# Altium PCB Power_Board.PcbDoc (part 2 of 2)
Units mm, origin at the board's own origin, x right, y up, seen from the top; angles counter-clockwise.
Board outline 100 x 100 mm, 4 copper layers (Top Layer, Signal Layer 1, Signal Layer 2, Bottom Layer), stack 1.551 mm thick; 412 components, 192 nets, 1206 pads, 0 vias.
Unrouted connection lines stored in the file: 963.
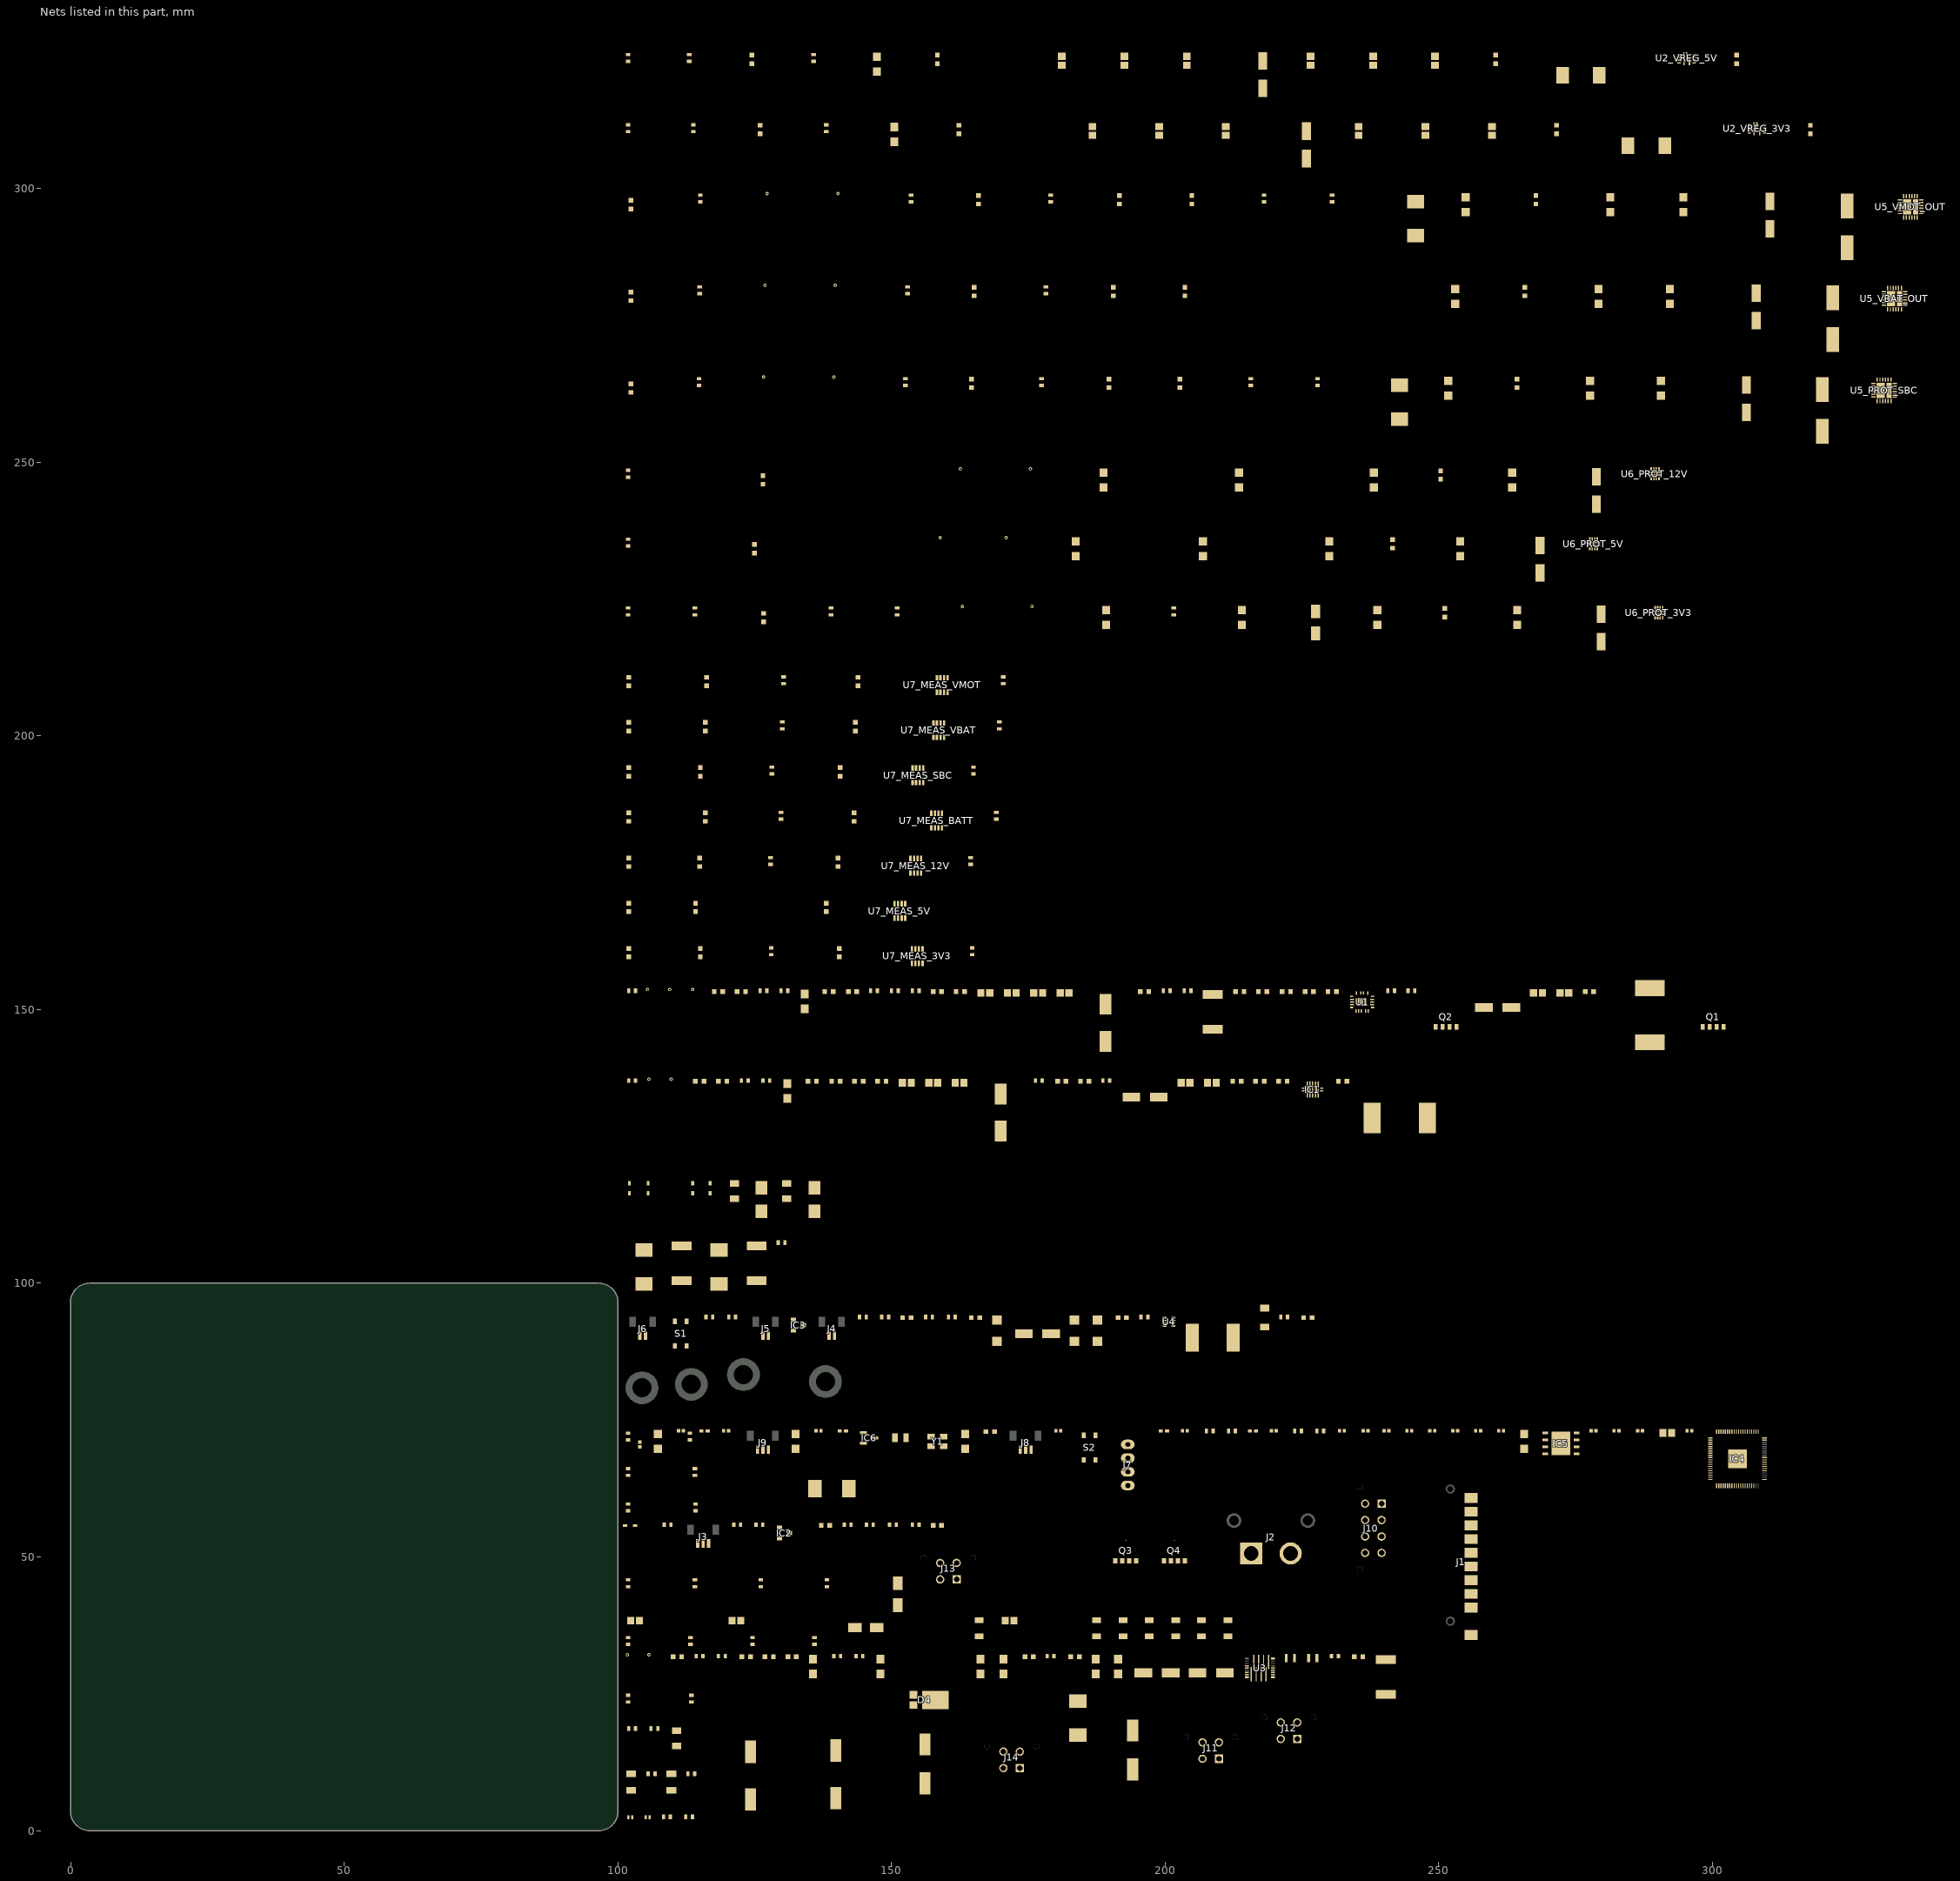
[diagram p2: the nets of this part, all layers, seen from the top]

## Footprints (in the part's own frame and the unit in brackets; to place one, negate y for a bottom-side part, rotate by r counter-clockwise, add the part's x,y. Pads: shape width x height; smd on the part's side, far side on the other; paste and mask are expansions set on the pad) (continued)
VQFN10_RPW_TEX [mil]
  rect 24x12 smd paste-12 mask-12: 1(-35.43,27.56) 4(-35.43,-27.56) 7(35.43,-27.56) 10(35.43,27.56)
  rect 24x10 smd paste+0 mask+0: 2(-35.43,8.86) 3(-35.43,-8.86) 8(35.43,-8.86) 9(35.43,8.86)
  rect 12x94 smd paste-47 mask-47: 5(-9.84,0) 6(9.84,0)
  Top Layer region: -33.43,47.56 -23.43,47.56 -23.43,21.56 -47.43,21.56 -47.43,33.56 -33.43,33.56
  Top Layer region: -23.43,-47.56 -23.43,-21.56 -47.43,-21.56 -47.43,-33.56 -33.43,-33.56 -33.43,-47.56
  Top Layer region: 47.43,-21.56 23.43,-21.56 23.43,-47.56 33.43,-47.56 33.43,-33.56 47.43,-33.56
  Top Layer region: 33.43,47.56 23.43,47.56 23.43,21.56 47.43,21.56 47.43,33.56 33.43,33.56
  silkscreen extent -63,-50 50,50, body extent -39,-39 39,39, height 39
VQFN26_RQP_TEX [mil]
  rect 28x16 smd paste-14 mask-14: 1(-92.52,67) 9(-92.52,-67) 14(92.52,-67) 22(92.52,67)
  rect 28x8 smd paste-4 mask+0: 2(-92.52,47.25) 3(-92.52,31.5) 4(-92.52,15.75) 5(-92.52,0) 6(-92.52,-15.75) 7(-92.52,-31.5) 8(-92.52,-47.25) 15(92.52,-47.25) 16(92.52,-31.5) 17(92.52,-15.75) 18(92.52,0) 19(92.52,15.75) 20(92.52,31.5) 21(92.52,47.25)
  rect 8x104 smd paste-4 mask+0: 10(-62.3,-44) 11(-26.67,-44) 12(8.96,-44) 13(44.59,-44) 23(62.3,44) 24(26.67,44) 25(-8.96,44) 26(-44.59,44)
  Top Layer region: -92.52,-75 -106.52,-75 -106.52,-59 -78.52,-59 -78.52,-96 -92.52,-96
  Top Layer region: 92.52,-75 106.52,-75 106.52,-59 78.52,-59 78.52,-96 92.52,-96
  Top Layer region: 92.52,75 106.52,75 106.52,59 78.52,59 78.52,96 92.52,96
  Top Layer region: -92.52,75 -106.52,75 -106.52,59 -78.52,59 -78.52,96 -92.52,96
  Top Layer region: 0,-52 0,-52 0,-52 0,-52 0,-52 0,-52 0,-52 0,-52
  Top Layer region: 0,52 0,52 0,52 0,52 0,52 0,52 0,52 0,52
  silkscreen extent -128,-105 115,105, body extent -98,-89 98,89, height 39
VQFN-HR12_RJN_TEX [mil]
  rect 55x10 smd paste+0 mask+0: 1(-19.93,19.69) 2(-19.93,-19.69) 7(19.93,0)
  rect 10x24 smd paste+0 mask+0: 3(-29.53,-55.12) 4(-9.84,-55.12) 5(9.84,-55.12) 6(29.53,-55.12) 9(29.53,55.12) 10(9.84,55.12) 11(-9.84,55.12) 12(-29.53,55.12)
  rect 24x10 smd paste+0 mask+0: 8(35.43,19.69)
  silkscreen extent -60,-80 45,80, body extent -39,-59 39,59, height 39
VQFN-HR26_RPM_TEX [mm]
  round 0.025 smd: 1(-1.625,1.488) 7(-1.675,-1.488) 13(1.675,-1.488) 19(1.625,1.488)
  rrect40% 0.6x0.25 smd: 2(-1.9,1) 6(-1.9,-1) 14(1.9,-1) 18(1.9,1)
  rrect40% 0.725x0.25 smd: 3(-1.837,0.5) 4(-1.837,0) 5(-1.837,-0.5) 15(1.837,-0.5) 16(1.837,0) 17(1.837,0.5)
  rrect40% 0.25x0.625 smd: 8(-1.125,-1.637) 9(-0.625,-1.637) 10(-0.125,-1.637) 11(0.625,-1.637) 12(1.125,-1.637)
  rrect40% 0.25x0.675 smd: 20(1.05,1.613) 23(-1.05,1.613)
  rrect40% 0.25x0.6 smd: 21(0.25,1.65) 22(-0.25,1.65)
  rrect26% 0.375x1.425 smd: 24(-0.625,0) 25(0,0) 26(0.625,0)
  Top Layer region: -2.2,1.425 -2.2,1.55 -2.196,1.569 -2.185,1.585 -2.169,1.596 -2.15,1.6 -2.15,1.6 -1.875,1.6 -1.856,1.604 -1.84,1.615 -1.829,1.631 -1.825,1.65 -1.825,1.65 -1.825,1.9 -1.821,1.919 -1.81,1.935 -1.794,1.946 -1.775,1.95 -1.775,1.95 -1.475,1.95 -1.456,1.946 -1.44,1.935 -1.429,1.919 -1.425,1.9 -1.425,1.9 -1.425,1.425 -1.429,1.406 -1.44,1.39 -1.456,1.379 -1.475,1.375 -1.475,1.375 -2.15,1.375 -2.169,1.379 -2.185,1.39 -2.196,1.406 -2.2,1.425
  Top Layer region: 1.5,-1.9 1.504,-1.919 1.515,-1.935 1.531,-1.946 1.55,-1.95 1.55,-1.95 1.8,-1.95 1.819,-1.946 1.835,-1.935 1.846,-1.919 1.85,-1.9 1.85,-1.9 1.85,-1.65 1.854,-1.631 1.865,-1.615 1.881,-1.604 1.9,-1.6 1.9,-1.6 2.15,-1.6 2.169,-1.596 2.185,-1.585 2.196,-1.569 2.2,-1.55 2.2,-1.55 2.2,-1.425 2.196,-1.406 2.185,-1.39 2.169,-1.379 2.15,-1.375 2.15,-1.375 1.55,-1.375 1.531,-1.379 1.515,-1.39 1.504,-1.406 1.5,-1.425 1.5,-1.425
  Top Layer region: 1.425,1.425 1.425,1.9 1.429,1.919 1.44,1.935 1.456,1.946 1.475,1.95 1.475,1.95 1.775,1.95 1.794,1.946 1.81,1.935 1.821,1.919 1.825,1.9 1.825,1.9 1.825,1.65 1.829,1.631 1.84,1.615 1.856,1.604 1.875,1.6 1.875,1.6 2.15,1.6 2.169,1.596 2.185,1.585 2.196,1.569 2.2,1.55 2.2,1.55 2.2,1.425 2.196,1.406 2.185,1.39 2.169,1.379 2.15,1.375 2.15,1.375 1.475,1.375 1.456,1.379 1.44,1.39 1.429,1.406 1.425,1.425
  Top Layer region: -2.15,-1.6 -2.169,-1.596 -2.185,-1.585 -2.196,-1.569 -2.2,-1.55 -2.2,-1.55 -2.2,-1.425 -2.196,-1.406 -2.185,-1.39 -2.169,-1.379 -2.15,-1.375 -2.15,-1.375 -1.55,-1.375 -1.531,-1.379 -1.515,-1.39 -1.504,-1.406 -1.5,-1.425 -1.5,-1.425 -1.5,-1.9 -1.504,-1.919 -1.515,-1.935 -1.531,-1.946 -1.55,-1.95 -1.55,-1.95 -1.8,-1.95 -1.819,-1.946 -1.835,-1.935 -1.846,-1.919 -1.85,-1.9 -1.85,-1.9 -1.85,-1.65 -1.854,-1.631 -1.865,-1.615 -1.881,-1.604 -1.9,-1.6 -1.9,-1.6
  silkscreen extent -2.43,-2.18 2.43,2.54, body extent -2,-1.75 2,1.75, height 1
WE-HCC_121021 [mm]
  rect 2.9x5.4 smd: 1(-4.95,0) 2(4.95,0)
  silkscreen extent -6,-5.75 6,5.75, body extent -6.05,-5.7 6.05,5.7, height 9.35
WE-HCC_807021 [mm]
  rect 2.3x3 smd: 1(-3.35,0) 2(3.35,0)
  silkscreen extent -4.2,-3.95 4.2,3.95, body extent -4.2,-3.95 4.2,3.95, height 7.15
XT60PWM [mm]
  rect 4.05x4.05 hole 2.7: 1(0,0)
  round 4.05 hole 2.7: 2(7.2,0)
  round 2.7 hole 1.8: 3(-3.15,6) 3(10.35,6)
  silkscreen extent -4.15,-2.5 11.35,16.35, body extent -4.35,-1.82 11.55,16.38, height 8.61
XTPS55285VALR [mm]
  round 0.025 smd: 1(-1.65,1.038) 4(-1.65,-1.038) 10(1.65,-1.038) 13(1.65,1.038)
  rect 0.6x0.25 smd: 2(-1.65,0.251) 3(-1.65,-0.249) 11(1.65,-0.249) 12(1.65,0.251)
  rect 0.25x1.6 smd: 5(-1,-0.649) 9(1,-0.649)
  rect 0.25x2.9 smd: 6(-0.5,0) 7(0,0) 8(0.5,0)
  rect 0.25x1.05 smd: 14(1,0.926) 15(-1,0.926)
  Top Layer region: -1.362,-0.625 -1.362,-1.45 -1.587,-1.45 -1.587,-1.075 -1.937,-1.075 -1.937,-0.625
  Top Layer region: -1.937,0.625 -1.937,1.075 -1.587,1.075 -1.587,1.45 -1.362,1.45 -1.362,0.625
  Top Layer region: 1.937,-0.625 1.937,-1.075 1.587,-1.075 1.587,-1.45 1.362,-1.45 1.362,-0.625
  Top Layer region: 1.362,0.625 1.362,1.45 1.587,1.45 1.587,1.075 1.937,1.075 1.937,0.625
  silkscreen extent -2.4,-1.78 1.75,1.78, body extent -1.75,-1.25 1.75,1.25, height 0.9

## Part data
C1 C24: library part 865080545011, "CAP ALUM 68UF 20% 35V SMD", Device Package="Radial, Can - SMD", Lifetime @ Temp.="2000 Hrs @ 105°C", Manufacturer="Würth Elektronik", Operating Temperature="-55°C ~ 105°C", Ripple Current @ High Frequency="265 mA @ 100 kHz", Ripple Current @ Low Frequency="172.25 mA @ 120 Hz", Supplier Part Number 1=732-8510-1-ND, Tolerance=±20%, Voltage - Rated="35 V", Applications="General Purpose", Capacitance="68 µF", ComponentLink1Description=Datasheet, ComponentLink1URL=https://katalog.we-online.de/pbs/datasheet/865080545011.pdf, ComponentLink2Description="DigiKey Link", ComponentLink2URL=https://www.digikey.com/en/products/detail/würth-elektronik/865080545011/5728105, Height - Seated (Max)="0.303\" (7.70mm)", Impedance="400 mOhms", LastUpdated="6/3/2024 8:16:17 PM", Lifecycle Status=Active, Minimum Order=1, Mounting Type="Surface Mount", Package / Case="Radial, Can - SMD", Packaging=TapeAndReel, Part Number=865080545011, Part Status=Active, PartId=27323, Polarization=Polar, Price=0.19, Series=WCAP-ASLI, Size / Dimension="0.248\" Dia (6.30mm)", Supplier 1=DigiKey, Surface Mount Land Size="0.260\" L x 0.260\" W (6.60mm x 6.60mm)"
C2 C3 C12 C13 C14 C25 C26 C34 C35 C36 C44_VREG_3V3 C44_VREG_5V C45_VREG_3V3 C45_VREG_5V C46_VREG_3V3 C46_VREG_5V C82: library part CL21A106KOQNNNE, "CAP CER 10UF 16V X5R 0805", Capacitance="10 µF", Device Package="0805 (2012 Metric)", Manufacturer="Samsung Electro-Mechanics", Operating Temperature="-55°C ~ 85°C", Supplier Part Number 1=1276-1096-1-ND, Temperature Coefficient=X5R, Tolerance=±10%, Voltage - Rated=16V, Applications="General Purpose", ComponentLink1Description=Datasheet, ComponentLink1URL=http://www.samsungsem.com/kr/support/product-search/mlcc/CL21A106KOQNNNE.jsp, ComponentLink2Description="DigiKey Link", ComponentLink2URL=https://www.digikey.com/en/products/detail/samsung-electro-mechanics/CL21A106KOQNNNE/3886754, LastUpdated="2/9/2024 8:15:37 PM", Lifecycle Status=Active, Minimum Order=1, Mounting Type="Surface Mount, MLCC", Package / Case="0805 (2012 Metric)", Packaging=TapeAndReel, Part Number=CL21A106KOQNNNE, Part Status=Active, PartId=14297, Price=0.01, Series=CL, Size / Dimension="0.079\" L x 0.049\" W (2.00mm x 1.25mm)", Supplier 1=DigiKey, Thickness (Max)="0.055\" (1.40mm)"
C4 C5 C6 C7 C8 C9 C10 C11 C17 C18 C19 C20 C21 C22 C23 C27 C28 C29 C30 C31 C32 C33 C38 C39 C40 C41 C42 C43_VREG_3V3 C43_VREG_5V C47_VREG_3V3 C47_VREG_5V C48_VREG_3V3 C48_VREG_5V C54_VREG_3V3 C54_VREG_5V C58 C59 C103_PROT_SBC C103_VBAT_OUT C103_VMOT_OUT C108_PROT_SBC C108_VBAT_OUT C108_VMOT_OUT C109_PROT_SBC C109_VBAT_OUT C109_VMOT_OUT C110_PROT_SBC C110_VBAT_OUT C110_VMOT_OUT C126_PROT_3V3 C126_PROT_5V C126_PROT_12V: library part "Non-polar Capacitor", "Generic Ceramic Capacitor", Voltage=50
C15 C49_VREG_3V3 C49_VREG_5V C50_VREG_3V3 C50_VREG_5V C51_VREG_3V3 C51_VREG_5V C112 C121 C123: library part CL21A226MAYNNNE, "CAP CER 22UF 25V X5R 0805", Device Package="0805 (2012 Metric)", Manufacturer="Samsung Electro-Mechanics", Operating Temperature="-55°C ~ 85°C", Supplier Part Number 1=1276-CL21A226MAYNNNECT-ND, Temperature Coefficient=X5R, Tolerance=±20%, Voltage - Rated=25V, Applications="General Purpose", Capacitance="22 µF", ComponentLink1Description=Datasheet, ComponentLink1URL=https://media.digikey.com/pdf/Data%20Sheets/Samsung%20PDFs/CL21A226MAYNNNE_Spec.pdf, ComponentLink2Description="DigiKey Link", ComponentLink2URL=https://www.digikey.com/en/products/detail/samsung-electro-mechanics/CL21A226MAYNNNE/10479857, LastUpdated="2/9/2024 8:15:02 PM", Lifecycle Status=Active, Minimum Order=1, Mounting Type="Surface Mount, MLCC", Package / Case="0805 (2012 Metric)", Packaging=TapeAndReel, Part Number=CL21A226MAYNNNE, Part Status=Active, PartId=39209, Price=0.04, Series=CL, Size / Dimension="0.079\" L x 0.049\" W (2.00mm x 1.25mm)", Supplier 1=DigiKey, Thickness (Max)="0.057\" (1.45mm)"
C16 C37: "Capacitor Polarised", Manufacturer_Name=YAGEO, Voltage=25V, Arrow Part Number=A768KS337M1ELAS019, Arrow Price/Stock=https://www.arrow.com/en/products/a768ks337m1elas019/kemet-corporation?region=nac, Datasheet Link=https://search.kemet.com/component-documentation/download/specsheet/A768KS337M1ELAS019, Height=12.5mm, Manufacturer_Part_Number=A768KS337M1ELAS019
C52_VREG_3V3 C52_VREG_5V: library part GYA1E101MCQ1GS, "CAP ALUM HYB 100UF 20% 25V SMD", Device Package="Radial, Can - SMD", ESR (Equivalent Series Resistance)=30mOhm, Lifetime @ Temp.="4000 Hrs @ 125°C", Manufacturer=Nichicon, Operating Temperature="-55°C ~ 125°C", Ratings=AEC-Q200, Ripple Current @ High Frequency="1.4 A @ 100 kHz", Supplier Part Number 1=493-16363-1-ND, Tolerance=±20%, Voltage - Rated="25 V", Applications=Automotive, Capacitance="100 µF", ComponentLink1Description=Datasheet, ComponentLink1URL=http://nichicon-us.com/english/products/pdfs/e-gya.pdf, ComponentLink2Description="DigiKey Link", ComponentLink2URL=https://www.digikey.com/en/products/detail/nichicon/GYA1E101MCQ1GS/7427941, Height - Seated (Max)="0.315\" (8.00mm)", LastUpdated="6/3/2024 8:16:34 PM", Lifecycle Status=Active, Minimum Order=1, Mounting Type="Surface Mount", Package / Case="Radial, Can - SMD", Packaging=TapeAndReel, Part Number=GYA1E101MCQ1GS, Part Status=Active, PartId=5865, Price=0.33, Series=GYA, Size / Dimension="0.248\" Dia (6.30mm)", Supplier 1=DigiKey, Surface Mount Land Size="0.260\" L x 0.260\" W (6.60mm x 6.60mm)", Type=Hybrid
C53_VREG_3V3 C53_VREG_5V C56 C57 C60 C61 C66 C102_PROT_SBC C102_VBAT_OUT C102_VMOT_OUT C104_PROT_SBC C104_VBAT_OUT C104_VMOT_OUT C105_PROT_SBC C105_VBAT_OUT C105_VMOT_OUT C111_PROT_SBC C111_VBAT_OUT C111_VMOT_OUT C125_PROT_3V3 C125_PROT_5V C125_PROT_12V C127_PROT_3V3 C127_PROT_5V C127_PROT_12V C129_PROT_3V3 C129_PROT_5V C129_PROT_12V C130_PROT_3V3 C130_PROT_5V C130_PROT_12V C131_PROT_3V3 C131_PROT_5V C131_PROT_12V: library part "Non-polar Capacitor", "Generic Ceramic Capacitor", Voltage=35
C55 C71: library part "Non-polar Capacitor", "Generic Ceramic Capacitor", Voltage=25V
C62 C63 C106_PROT_SBC C106_VBAT_OUT C106_VMOT_OUT C128_PROT_3V3 C128_PROT_5V C128_PROT_12V: library part 865080343009, "CAP ALUM 100UF 20% 16V SMD", Device Package="Radial, Can - SMD", Lifetime @ Temp.="2000 Hrs @ 105°C", Manufacturer="Würth Elektronik", Operating Temperature="-55°C ~ 105°C", Ripple Current @ High Frequency="255 mA @ 100 kHz", Ripple Current @ Low Frequency="165.75 mA @ 120 Hz", Supplier Part Number 1=732-8419-1-ND, Tolerance=±20%, Voltage - Rated="16 V", Applications="General Purpose", Capacitance=100uF, ComponentLink1Description=Datasheet, ComponentLink1URL=https://katalog.we-online.de/pbs/datasheet/865080343009.pdf, ComponentLink2Description="DigiKey Link", ComponentLink2URL=https://www.digikey.com/en/products/detail/würth-elektronik/865080343009/5728014, Height - Seated (Max)="0.217\" (5.50mm)", Impedance="520 mOhms", LastUpdated="6/3/2024 7:53:35 PM", Lifecycle Status=Active, Minimum Order=1, Mounting Type="Surface Mount", Package / Case="Radial, Can - SMD", Packaging=TapeAndReel, Part Number=865080343009, Part Status=Active, PartId=8820, Polarization=Polar, Price=0.16, Series=WCAP-ASLI, Size / Dimension="0.248\" Dia (6.30mm)", Supplier 1=DigiKey, Surface Mount Land Size="0.260\" L x 0.260\" W (6.60mm x 6.60mm)"
C64 C124: "Capacitor Polarised", Manufacturer_Name=Panasonic, Mouser Part Number=667-EEH-ZS1E102UP, Voltage=25V, Datasheet Link=http://industrial.panasonic.com/cdbs/www-data/pdf/RDD0000/ast-ind-156941.pdf, Height=10.5mm, Manufacturer_Part_Number=EEH-ZS1E102UP, Mouser Price/Stock=https://www.mouser.co.uk/ProductDetail/Panasonic/EEH-ZS1E102UP?qs=Jslch3jnSjkjjSRRp9pS2g%3D%3D
C65 C67 C68 C69 C70 C133_MEAS_3V3 C133_MEAS_5V C133_MEAS_12V C133_MEAS_BATT C133_MEAS_SBC C133_MEAS_VBAT C133_MEAS_VMOT: library part "Non-polar Capacitor", "Generic Ceramic Capacitor", Voltage=16
C72 C73 C76 C77 C80 C81 C83 C84 C85 C86 C87 C88 C89 C90 C91 C92 C93 C94 C95 C96 C97 C98 C99 C100 C101 C132_MEAS_3V3 C132_MEAS_5V C132_MEAS_12V C132_MEAS_BATT C132_MEAS_SBC C132_MEAS_VBAT C132_MEAS_VMOT C134_MEAS_3V3 C134_MEAS_5V C134_MEAS_12V C134_MEAS_BATT C134_MEAS_SBC C134_MEAS_VBAT C134_MEAS_VMOT: library part "Non-polar Capacitor", "Generic Ceramic Capacitor", Voltage=6.3V
C74 C75 C78: library part "Non-polar Capacitor", "Generic Ceramic Capacitor", Voltage=16V
C79: library part 865080443007, "CAP ALUM 47UF 20% 25V SMD", Device Package="Radial, Can - SMD", Lifetime @ Temp.="2000 Hrs @ 105°C", Manufacturer="Würth Elektronik", Operating Temperature="-55°C ~ 105°C", Ripple Current @ High Frequency="220 mA @ 100 kHz", Ripple Current @ Low Frequency="143 mA @ 120 Hz", Supplier Part Number 1=732-8435-1-ND, Tolerance=±20%, Voltage - Rated="25 V", Applications="General Purpose", Capacitance="47 µF", ComponentLink1Description=Datasheet, ComponentLink1URL=https://katalog.we-online.de/pbs/datasheet/865080443007.pdf, ComponentLink2Description="DigiKey Link", ComponentLink2URL=https://www.digikey.com/en/products/detail/würth-elektronik/865080443007/5728030, Height - Seated (Max)="0.217\" (5.50mm)", Impedance="560 mOhms", LastUpdated="6/3/2024 7:53:40 PM", Lifecycle Status=Active, Minimum Order=1, Mounting Type="Surface Mount", Package / Case="Radial, Can - SMD", Packaging=TapeAndReel, Part Number=865080443007, Part Status=Active, PartId=8980, Polarization=Polar, Price=0.15, Series=WCAP-ASLI, Size / Dimension="0.248\" Dia (6.30mm)", Supplier 1=DigiKey, Surface Mount Land Size="0.260\" L x 0.260\" W (6.60mm x 6.60mm)"
C107_PROT_SBC C107_VBAT_OUT C107_VMOT_OUT: library part 865080453014, "CAP ALUM 330UF 20% 25V SMD", Device Package="Radial, Can - SMD", Lifetime @ Temp.="2000 Hrs @ 105°C", Manufacturer="Würth Elektronik", Operating Temperature="-55°C ~ 105°C", Ripple Current @ High Frequency="570 mA @ 100 kHz", Ripple Current @ Low Frequency="370.5 mA @ 120 Hz", Supplier Part Number 1=732-8442-1-ND, Tolerance=±20%, Voltage - Rated="25 V", Applications="General Purpose", Capacitance=330uF, ComponentLink1Description=Datasheet, ComponentLink1URL=https://katalog.we-online.de/pbs/datasheet/865080453014.pdf, ComponentLink2Description="DigiKey Link", ComponentLink2URL=https://www.digikey.com/en/products/detail/würth-elektronik/865080453014/5728037, Height - Seated (Max)="0.413\" (10.50mm)", Impedance="200 mOhms", LastUpdated="6/3/2024 8:15:49 PM", Lifecycle Status=Active, Minimum Order=1, Mounting Type="Surface Mount", Package / Case="Radial, Can - SMD", Packaging=TapeAndReel, Part Number=865080453014, Part Status=Active, PartId=7460, Polarization=Polar, Price=0.37, Series=WCAP-ASLI, Size / Dimension="0.315\" Dia (8.00mm)", Supplier 1=DigiKey, Surface Mount Land Size="0.327\" L x 0.327\" W (8.30mm x 8.30mm)"
C113 C122: "Capacitor Polarised", Manufacturer_Name=Panasonic, Mouser Part Number=667-EEH-ZL1E471P, Voltage=25V, Arrow Part Number=EEH-ZL1E471P, Arrow Price/Stock=https://www.arrow.com/en/products/eeh-zl1e471p/panasonic?region=nac, Datasheet Link=https://industrial.panasonic.com/cdbs/www-data/pdf/RDD0000/ast-ind-303928.pdf, Manufacturer_Part_Number=EEH-ZL1E471P, Mouser Price/Stock=https://www.mouser.co.uk/ProductDetail/Panasonic/EEH-ZL1E471P?qs=ZcfC38r4PosHdnxxSShfxg%3D%3D
C114 C115 C116 C117 C118 C119 C120: library part GRM31CR61A476ME15L, "CAP CER 47UF 10V X5R 1206", Device Package="1206 (3216 Metric)", Manufacturer="Murata Electronics", Operating Temperature="-55°C ~ 85°C", Supplier Part Number 1=490-5528-1-ND, Temperature Coefficient=X5R, Tolerance=±20%, Voltage - Rated=10V, Applications="General Purpose", Capacitance="47 µF", ComponentLink1Description=Datasheet, ComponentLink1URL=https://www.murata.com/~/media/webrenewal/support/library/catalog/products/capacitor/mlcc/c02e.ashx?la=en-us, ComponentLink2Description="DigiKey Link", ComponentLink2URL=https://www.digikey.com/en/products/detail/murata-electronics/GRM31CR61A476ME15L/2334879, LastUpdated="7/27/2025 6:13:51 AM", Lifecycle Status=Active, Minimum Order=1, Mounting Type="Surface Mount, MLCC", Package / Case="1206 (3216 Metric)", Packaging=TapeAndReel, Part Number=GRM31CR61A476ME15L, Part Status=Active, PartId=22110, Price=0.08, Series=GRM, Size / Dimension="0.126\" L x 0.063\" W (3.20mm x 1.60mm)", Supplier 1=DigiKey, Thickness (Max)="0.071\" (1.80mm)"
D1: "Indicator LED", Color=Green
D2: "Indicator LED", Color=Amber
D3: "TVS DIODE 13VWM 21.5VC DO214AB", Current - Peak Pulse (10/1000µs)=139.5A, Manufacturer="Littelfuse Inc.", Operating Temperature="-65°C ~ 150°C (TJ)", Package / Case="DO-214AB, SMC", Power - Peak Pulse="3000W (3kW)", Power Line Protection=No, Supplier Device Package="DO-214AB (SMCJ)", Supplier Part Number 1=SMDJ13ACT-ND, Voltage - Breakdown (Min)=14.4V, Voltage - Clamping (Max) @ Ipp=21.5V, Voltage - Reverse Standoff (Typ)=13V, Applications="General Purpose", ComponentLink1Description=Datasheet, ComponentLink1URL=https://www.littelfuse.com/~/media/electronics/datasheets/tvs_diodes/littelfuse_tvs_diode_smdj_datasheet.pdf.pdf, ComponentLink2Description="DigiKey Link", ComponentLink2URL=https://www.digikey.com/en/products/detail/littelfuse-inc/SMDJ13A/2024476, LastUpdated="6/3/2024 7:57:02 PM", Lifecycle Status=Active, Minimum Order=1, Mounting Type="Surface Mount", Packaging=TapeAndReel, Part Number=SMDJ13A, Part Status=Active, PartId=6478, Price=0.33, Series=SMDJ, Supplier 1=DigiKey, Type=Zener, Unidirectional Channels=1
D4: "DIODE SBR 45V 10A POWERDI5", Current - Average Rectified (Io)=10A, Current - Reverse Leakage @ Vr="300 µA @ 45 V", Manufacturer="Diodes Incorporated", Operating Temperature - Junction="-65°C ~ 150°C", Package / Case="PowerDI™ 5", Supplier Part Number 1=SBR10U45SP5-13DICT-ND, Voltage - DC Reverse (Vr) (Max)="45 V", Voltage - Forward (Vf) (Max) @ If="470 mV @ 10 A", ComponentLink1Description=Datasheet, ComponentLink1URL=https://www.diodes.com/assets/Datasheets/SBR10U45SP5.pdf, ComponentLink2Description="DigiKey Link", ComponentLink2URL=https://www.digikey.com/en/products/detail/diodes-incorporated/SBR10U45SP5-13/1935355, Diode Type="Super Barrier", LastUpdated="7/27/2025 8:51:32 PM", Lifecycle Status=Active, Minimum Order=1, Mounting Type="Surface Mount", Packaging=TapeAndReel, Part Number=SBR10U45SP5-13, Part Status=Active, PartId=3714, Price=0.27, Series=SBR®, Speed="Fast Recovery =< 500ns, > 200mA (Io)", Supplier 1=DigiKey, Supplier Device Package="PowerDI™ 5"
D5 D11 D12: "TVS DIODE 3.3V 14.1V SOD523", Capacitance @ Frequency="105pF @ 1MHz", Current - Peak Pulse (10/1000µs)="11.2A (8/20µs)", Manufacturer="ON Semiconductor", Operating Temperature="-55°C ~ 150°C (TJ)", Package / Case="SC-79, SOD-523", Power - Peak Pulse=158W, Power Line Protection=No, Supplier Device Package=SOD-523, Supplier Part Number 1=ESD5Z3.3T1GOSCT-ND, Voltage - Breakdown (Min)=5V, Voltage - Clamping (Max) @ Ipp=14.1V, Voltage - Reverse Standoff (Typ)="3.3V (Max)", Applications="General Purpose", ComponentLink1Description=Datasheet, ComponentLink1URL=https://www.onsemi.com/pub/Collateral/ESD5Z2.5T1-D.PDF, ComponentLink2Description="DigiKey Link", ComponentLink2URL=http://digikey.com/product-detail/en/on-semiconductor/ESD5Z3.3T1G/ESD5Z3.3T1GOSCT-ND/1967044, LastUpdated="6/3/2024 8:22:18 PM", Lifecycle Status=Active, Minimum Order=1, Mounting Type="Surface Mount", Packaging=TapeAndReel, Part Number=ESD5Z3.3T1G, Part Status=Active, PartId=9754, Price=0.04, Series=-, Supplier 1=DigiKey, Type=Zener, Unidirectional Channels=1
D6 D7: "TVS DIODE 5.5VWM 14VC 2X1SON", Current - Peak Pulse (10/1000µs)="5A (8/20µs)", Device Package="0402 (1005 Metric)", Manufacturer="Texas Instruments", Operating Temperature="-40°C ~ 125°C (TA)", Power - Peak Pulse=90W, Power Line Protection=No, Supplier Device Package="2-X1SON (1x.60)", Supplier Part Number 1=296-30406-1-ND, Voltage - Breakdown (Min)=6V, Voltage - Clamping (Max) @ Ipp=14V, Voltage - Reverse Standoff (Typ)="5.5V (Max)", Applications="General Purpose", Bidirectional Channels=1, ComponentLink1Description=Datasheet, ComponentLink1URL=http://www.ti.com/general/docs/suppproductinfo.tsp?distId=10&gotoUrl=http%3A%2F%2Fwww.ti.com%2Flit%2Fgpn%2Ftpd1e10b06, ComponentLink2Description="DigiKey Link", ComponentLink2URL=https://www.digikey.com/en/products/detail/texas-instruments/TPD1E10B06DPYR/3197744, LastUpdated="6/3/2024 8:23:00 PM", Lifecycle Status=Active, Minimum Order=1, Mounting Type="Surface Mount", Package / Case="0402 (1005 Metric)", Packaging=TapeAndReel, Part Number=TPD1E10B06DPYR, Part Status=Active, PartId=10446, Price=0.06, Series=-, Supplier 1=DigiKey, Type=Zener
D8_PROT_SBC D8_VBAT_OUT D8_VMOT_OUT: "DIODE SCHOTTKY 30V 5A SMC", Capacitance @ Vr, F="300pF @ 4V, 1MHz", Current - Average Rectified (Io)=5A, Current - Reverse Leakage @ Vr="500 µA @ 30 V", Manufacturer="Diodes Incorporated", Operating Temperature - Junction="-55°C ~ 150°C", Package / Case="DO-214AB, SMC", Supplier Device Package=SMC, Supplier Part Number 1=B530C-FDICT-ND, Voltage - DC Reverse (Vr) (Max)="30 V", Voltage - Forward (Vf) (Max) @ If="550 mV @ 5 A", ComponentLink1Description=Datasheet, ComponentLink1URL=https://www.diodes.com/assets/Datasheets/ds13012.pdf, ComponentLink2Description="DigiKey Link", ComponentLink2URL=https://www.digikey.com/en/products/detail/diodes-incorporated/B530C-13-F/768770, Diode Type=Schottky, LastUpdated="6/3/2024 7:54:13 PM", Lifecycle Status=Active, Minimum Order=1, Mounting Type="Surface Mount", Packaging=TapeAndReel, Part Number=B530C-13-F, Part Status=Active, PartId=1719, Price=0.16, Series=-, Speed="Fast Recovery =< 500ns, > 200mA (Io)", Supplier 1=DigiKey
D9: "TVS DIODE 6VWM 10.3VC SMB", Current - Peak Pulse (10/1000µs)=58.3A, Manufacturer="Bourns Inc.", Operating Temperature="-55°C ~ 150°C (TJ)", Package / Case="DO-214AA, SMB", Power - Peak Pulse=600W, Power Line Protection=No, Supplier Device Package="DO-214AA (SMB)", Supplier Part Number 1=SMBJ6.0ABCT-ND, Voltage - Breakdown (Min)=6.67V, Voltage - Clamping (Max) @ Ipp=10.3V, Voltage - Reverse Standoff (Typ)=6V, Applications="General Purpose", ComponentLink1Description=Datasheet, ComponentLink1URL=https://www.bourns.com/docs/Product-Datasheets/SMBJ.pdf, ComponentLink2Description="DigiKey Link", ComponentLink2URL=https://www.digikey.com/en/products/detail/bourns-inc/SMBJ6-0A/2254189, LastUpdated="6/3/2024 7:56:42 PM", Lifecycle Status=Active, Minimum Order=1, Mounting Type="Surface Mount", Packaging=TapeAndReel, Part Number=SMBJ6.0A, Part Status=Active, PartId=11232, Price=0.08, Series=SMBJ, Supplier 1=DigiKey, Type=Zener, Unidirectional Channels=1
D10: "TVS DIODE 13VWM 21.5VC SMB", Current - Peak Pulse (10/1000µs)=28A, Manufacturer="Bourns Inc.", Operating Temperature="-55°C ~ 150°C (TJ)", Package / Case="DO-214AA, SMB", Power - Peak Pulse=600W, Power Line Protection=No, Supplier Device Package="DO-214AA (SMB)", Supplier Part Number 1=SMBJ13ABCT-ND, Voltage - Breakdown (Min)=14.4V, Voltage - Clamping (Max) @ Ipp=21.5V, Voltage - Reverse Standoff (Typ)=13V, Applications="General Purpose", ComponentLink1Description=Datasheet, ComponentLink1URL=https://www.bourns.com/docs/Product-Datasheets/SMBJ.pdf, ComponentLink2Description="DigiKey Link", ComponentLink2URL=https://www.digikey.com/en/products/detail/bourns-inc/SMBJ13A/2254626, LastUpdated="6/3/2024 7:56:38 PM", Lifecycle Status=Active, Minimum Order=1, Mounting Type="Surface Mount", Packaging=TapeAndReel, Part Number=SMBJ13A, Part Status=Active, PartId=10876, Price=0.08, Series=SMBJ, Supplier 1=DigiKey, Type=Zener, Unidirectional Channels=1
D13 D14: "TVS DIODE 5V 18.6V SOD523", Capacitance @ Frequency="80pF @ 1MHz", Current - Peak Pulse (10/1000µs)="9.4A (8/20µs)", Manufacturer="ON Semiconductor", Operating Temperature="-55°C ~ 150°C (TJ)", Package / Case="SC-79, SOD-523", Power - Peak Pulse=174W, Power Line Protection=No, Supplier Device Package=SOD-523, Supplier Part Number 1=ESD5Z5.0T1GOSCT-ND, Voltage - Breakdown (Min)=6.2V, Voltage - Clamping (Max) @ Ipp=18.6V, Voltage - Reverse Standoff (Typ)="5V (Max)", Applications="General Purpose", ComponentLink1Description=Datasheet, ComponentLink1URL=https://www.onsemi.com/pub/Collateral/ESD5Z2.5T1-D.PDF, ComponentLink2Description="DigiKey Link", ComponentLink2URL=http://digikey.com/product-detail/en/on-semiconductor/ESD5Z5.0T1G/ESD5Z5.0T1GOSCT-ND/1967045, LastUpdated="6/3/2024 8:22:19 PM", Lifecycle Status=Active, Minimum Order=1, Mounting Type="Surface Mount", Packaging=TapeAndReel, Part Number=ESD5Z5.0T1G, Part Status=Active, PartId=9755, Price=0.04, Series=-, Supplier 1=DigiKey, Type=Zener, Unidirectional Channels=1
D15_PROT_3V3 D15_PROT_5V D15_PROT_12V: "DIODE SCHOTTKY 20V 3A SMAF", Capacitance @ Vr, F="140pF @ 4V, 1MHz", Current - Average Rectified (Io)=3A, Current - Reverse Leakage @ Vr="200 µA @ 20 V", Manufacturer="Diodes Incorporated", Operating Temperature - Junction="-55°C ~ 150°C", Package / Case="DO-221AC, SMA Flat Leads", Supplier Device Package=SMAF, Supplier Part Number 1=B320AF-13DICT-ND, Voltage - DC Reverse (Vr) (Max)="20 V", Voltage - Forward (Vf) (Max) @ If="500 mV @ 3 A", ComponentLink1Description=Datasheet, ComponentLink1URL=https://www.diodes.com/assets/Datasheets/B320AF-B330AF.pdf, ComponentLink2Description="DigiKey Link", ComponentLink2URL=https://www.digikey.com/en/products/detail/diodes-incorporated/B320AF-13/7666773, Diode Type=Schottky, LastUpdated="6/3/2024 8:26:29 PM", Lifecycle Status=Active, Minimum Order=1, Mounting Type="Surface Mount", Packaging=TapeAndReel, Part Number=B320AF-13, Part Status=Active, PartId=3424, Price=0.05, Series=-, Speed="Fast Recovery =< 500ns, > 200mA (Io)", Supplier 1=DigiKey